# Altium PCB PCB1.pcbdoc (part 1 of 4) (continued)
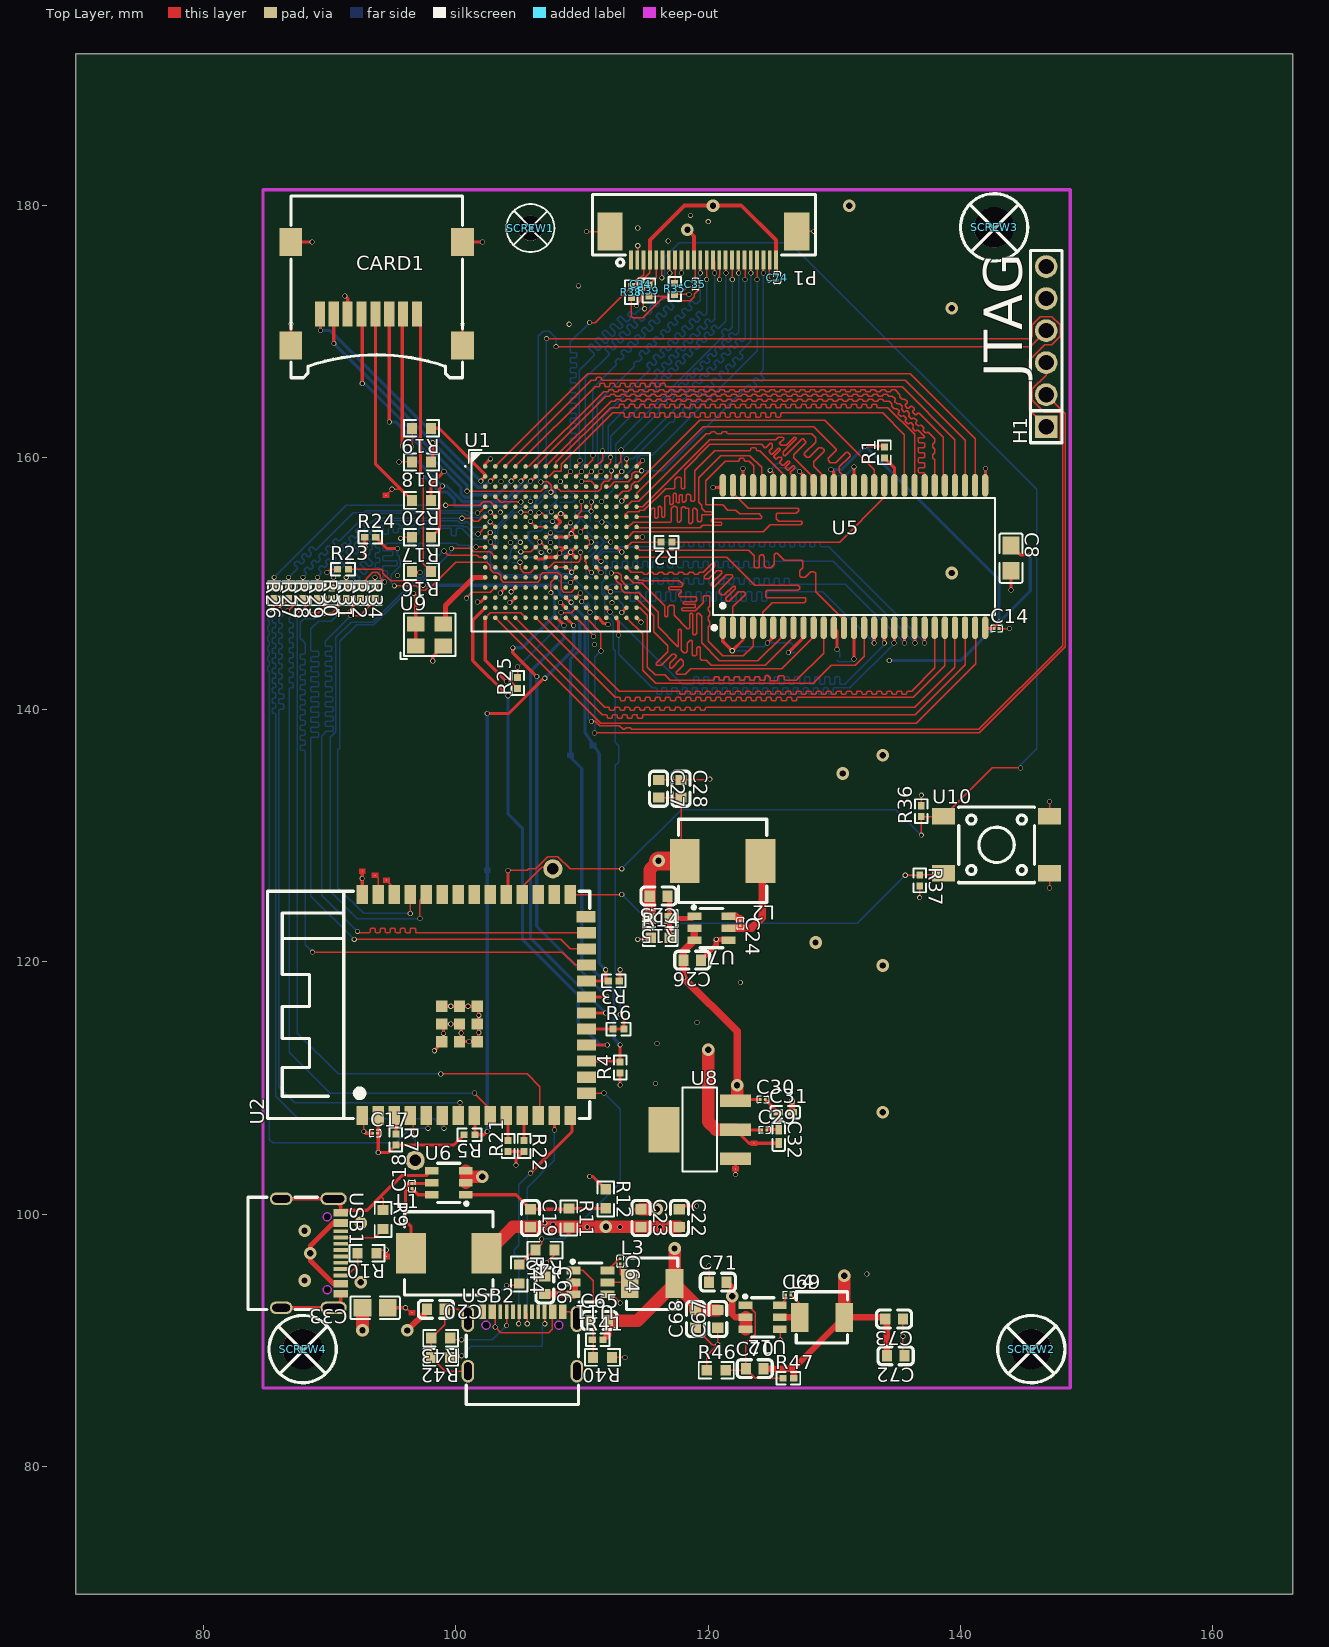
[diagram p0: Top Layer view]
## Components (designator, comment, footprint, x,y, rotation, side; value= is the part's Value field where it differs from the comment) (continued)
R4 "0402WGF1002TCE" R0402 113.03,111.633 r90 top
R5 "0402WGF1002TCE" R0402 101.092,106.299 r180 top
R6 "0402WGF330JTCE" R0402 112.903,114.681 r0 top
R7 "0402WGF1002TCE" R0402 95.25,105.918 r270 top
R9 "0603WAF5101T5E" R0603 94.234,99.568 r270 top
R10 "0603WAF5101T5E" R0603 92.964,96.901 r180 top
R11 "FRC0603F1963TS" R0603 108.966,99.695 r270 top
R12 "FRC0603F6202TS" R0603 111.887,101.219 r270 top
R14 "FRC0603F6202TS" R0603 116.205,121.92 r0 top
R15 "0603WAF2322T5E" R0603 116.205,123.444 r180 top
R16 "FRC0603F6202TS" R0603 97.278,150.952 r180 top
R17 "FRC0603F6202TS" R0603 97.282,153.67 r180 top
R18 "FRC0603F6202TS" R0603 97.282,159.639 r180 top
R19 "FRC0603F6202TS" R0603 97.282,162.306 r180 top
R20 "FRC0603F6202TS" R0603 97.282,156.591 r180 top
R21 "0402WGF1002TCE" R0402 104.14,105.41 r270 top
R22 "0402WGF1002TCE" R0402 105.41,105.41 r270 top
R23 "0402WGF1002TCE" R0402 91.059,151.13 r0 top
R24 "0402WGF1002TCE" R0402 93.218,153.67 r0 top
R25 "0402WGF1002TCE" R0402 104.902,142.113 r90 top
R26 "0402WGF330JTCE" R0402 85.598,149.225 r270 top
R27 "0402WGF330JTCE" R0402 86.741,149.225 r270 top
R28 "0402WGF330JTCE" R0402 87.884,149.225 r270 top
R29 "0402WGF330JTCE" R0402 89.027,149.225 r270 top
R30 "0402WGF330JTCE" R0402 90.17,149.225 r270 top
R31 "0402WGF330JTCE" R0402 91.313,149.225 r270 top
R32 "0402WGF330JTCE" R0402 92.456,149.225 r270 top
R34 "0402WGF330JTCE" R0402 93.599,149.225 r270 top
R35 "0402WGF1002TCE" R0402 117.348,173.355 r270 top
R36 "0402WGF1002TCE" R0402 136.906,131.953 r90 top
R37 "0402WGF1002TCE" R0402 136.779,126.469 r270 top
R38 "0402WGF1002TCE" R0402 113.919,173.101 r270 top
R39 "0402WGF1002TCE" R0402 115.316,173.228 r270 top
R40 "FRC0603F6202TS" R0603 111.633,88.646 r180 top
R41 "RC0402FR-07130KL" R0402 111.252,90.043 r0 top
R42 "0603WAF5101T5E" R0603 98.806,88.646 r180 top
R43 "0603WAF5101T5E" R0603 98.806,90.17 r180 top
R44 "FRC0603F1963TS" R0603 105.029,95.25 r270 top
R45 "FRC0603F1963TS" R0603 107.061,97.155 r180 top
R46 "FRC0603F6202TS" R0603 120.65,87.63 r0 top
R47 "0402WGF1543TCE" R0402 126.365,86.995 r0 top
SCREW1 "Screw-Hole-M2" Screw-Hole-M2 105.918,178.181 r0 top
SCREW2 "Screw-Hole-M3" Screw-Hole-M3 145.696,89.239 r0 top
SCREW3 "Screw-Hole-M3" Screw-Hole-M3 142.748,178.181 r0 top
SCREW4 "Screw-Hole-M3" Screw-Hole-M3 87.926,89.239 r0 top
U1 "LFE5U-25F-6BG256C" CABGA-256_L14.0-W14.0-R16-C16-P0.80-TL 108.331,153.289 r0 top
U2 "ESP32-S3-WROOM-1-N16R2" WIRELM-SMD_ESP32-S3-WROOM-1 101.473,116.586 r90 top
U5 "W9825G6KH-6" TSOP-54_L22.2-W10.2-P0.80-LS11.8-BL 131.572,152.146 r0 top
U6 "AP63200WU-7" SOT-23-6_L2.9-W1.6-P0.95-LS2.8-BR 99.441,102.489 r0 top
U7 "AP63200WU-7" SOT-23-6_L2.9-W1.6-P0.95-LS2.8-BR 120.269,122.682 r180 top
U8 "AMS1117-1.8_C6185" SOT-223-4_L6.5-W3.5-P2.30-LS7.0-BR 119.333,106.709 r0 top
U9 "XOS32024000LT00351005" OSC-SMD_4P-L3.2-W2.5-BL 97.917,145.923 r0 top
U10 "TPS645-5NC60" SW-SMD_4P-L6.0-W6.0-P4.50-LS9.2 142.875,129.286 r0 top
U11 "AP63200WU-7" SOT-23-6_L2.9-W1.6-P0.95-LS2.8-BR 110.67,94.587 r180 top
U12 "AP63200WU-7" SOT-23-6_L2.9-W1.6-P0.95-LS2.8-BR 124.333,91.821 r180 top
USB1 "TYPE-C16PIN" USB-C-SMD_TYPE-C16PIN#1 88.519,96.901 r270 top
USB2 "TYPE-C16PIN" USB-C-SMD_TYPE-C16PIN#2 105.283,89.916 r0 top

## Footprints (in the part's own frame and the unit in brackets; to place one, negate y for a bottom-side part, rotate by r counter-clockwise, add the part's x,y. Pads: shape width x height; smd on the part's side, far side on the other; paste and mask are expansions set on the pad)
C0402 [mm]
  rect 0.79x0.54 smd: 1(-0.545,0) 2(0.545,0)
  silkscreen extent -1.17,-0.5 1.17,0.5
C0603 [mm]
  rect 0.8x0.9 smd: 1(-0.7,0) 2(0.7,0)
  silkscreen extent -1.39,-0.71 1.39,0.71
C0805 [mm]
  rect 1.41x1.35 smd: 1(-1,0) 2(1,0)
  silkscreen extent -1.96,-0.9 1.96,0.9
C01005 [mm]
  rect 0.21x0.22 smd: 1(-0.195,0) 2(0.195,0)
  silkscreen extent -0.46,-0.27 0.46,0.27
CABGA-256_L14.0-W14.0-R16-C16-P0.80-TL [mm]
  round 0.36 smd: A1(-6,6) A2(-5.2,6) A3(-4.4,6) A4(-3.6,6) A5(-2.8,6) A6(-2,6) A7(-1.2,6) A8(-0.4,6) A9(0.4,6) A10(1.2,6) A11(2,6) A12(2.8,6) A13(3.6,6) A14(4.4,6) A15(5.2,6) A16(6,6) B1(-6,5.2) B2(-5.2,5.2) B3(-4.4,5.2) B4(-3.6,5.2) B5(-2.8,5.2) B6(-2,5.2) B7(-1.2,5.2) B8(-0.4,5.2) B9(0.4,5.2) B10(1.2,5.2) B11(2,5.2) B12(2.8,5.2) B13(3.6,5.2) B14(4.4,5.2) B15(5.2,5.2) B16(6,5.2) C1(-6,4.4) C2(-5.2,4.4) C3(-4.4,4.4) C4(-3.6,4.4) C5(-2.8,4.4) C6(-2,4.4) C7(-1.2,4.4) C8(-0.4,4.4) C9(0.4,4.4) C10(1.2,4.4) C11(2,4.4) C12(2.8,4.4) C13(3.6,4.4) C14(4.4,4.4) C15(5.2,4.4) C16(6,4.4) D1(-6,3.6) D2(-5.2,3.6) D3(-4.4,3.6) D4(-3.6,3.6) D5(-2.8,3.6) D6(-2,3.6) D7(-1.2,3.6) D8(-0.4,3.6) D9(0.4,3.6) D10(1.2,3.6) D11(2,3.6) D12(2.8,3.6) D13(3.6,3.6) D14(4.4,3.6) D15(5.2,3.6) D16(6,3.6) E1(-6,2.8) E2(-5.2,2.8) E3(-4.4,2.8) E4(-3.6,2.8) E5(-2.8,2.8) E6(-2,2.8) E7(-1.2,2.8) E8(-0.4,2.8) E9(0.4,2.8) E10(1.2,2.8) E11(2,2.8) E12(2.8,2.8) E13(3.6,2.8) E14(4.4,2.8) E15(5.2,2.8) E16(6,2.8) F1(-6,2) F2(-5.2,2) F3(-4.4,2) F4(-3.6,2) F5(-2.8,2) F6(-2,2) F7(-1.2,2) F8(-0.4,2) F9(0.4,2) F10(1.2,2) F11(2,2) F12(2.8,2) F13(3.6,2) F14(4.4,2) F15(5.2,2) F16(6,2) G1(-6,1.2) G2(-5.2,1.2) G3(-4.4,1.2) G4(-3.6,1.2) G5(-2.8,1.2) G6(-2,1.2) G7(-1.2,1.2) G8(-0.4,1.2) G9(0.4,1.2) G10(1.2,1.2) G11(2,1.2) G12(2.8,1.2) G13(3.6,1.2) G14(4.4,1.2) G15(5.2,1.2) G16(6,1.2) H1(-6,0.4) H2(-5.2,0.4) H3(-4.4,0.4) H4(-3.6,0.4) H5(-2.8,0.4) H6(-2,0.4) H7(-1.2,0.4) H8(-0.4,0.4) H9(0.4,0.4) H10(1.2,0.4) H11(2,0.4) H12(2.8,0.4) H13(3.6,0.4) H14(4.4,0.4) H15(5.2,0.4) H16(6,0.4) J1(-6,-0.4) J2(-5.2,-0.4) J3(-4.4,-0.4) J4(-3.6,-0.4) J5(-2.8,-0.4) J6(-2,-0.4) J7(-1.2,-0.4) J8(-0.4,-0.4) J9(0.4,-0.4) J10(1.2,-0.4) J11(2,-0.4) J12(2.8,-0.4) J13(3.6,-0.4) J14(4.4,-0.4) J15(5.2,-0.4) J16(6,-0.4) K1(-6,-1.2) K2(-5.2,-1.2) K3(-4.4,-1.2) K4(-3.6,-1.2) K5(-2.8,-1.2) K6(-2,-1.2) K7(-1.2,-1.2) K8(-0.4,-1.2) K9(0.4,-1.2) K10(1.2,-1.2) K11(2,-1.2) K12(2.8,-1.2) K13(3.6,-1.2) K14(4.4,-1.2) K15(5.2,-1.2) K16(6,-1.2) L1(-6,-2) L2(-5.2,-2) L3(-4.4,-2) L4(-3.6,-2) L5(-2.8,-2) L6(-2,-2) L7(-1.2,-2) L8(-0.4,-2) L9(0.4,-2) L10(1.2,-2) L11(2,-2) L12(2.8,-2) L13(3.6,-2) L14(4.4,-2) L15(5.2,-2) L16(6,-2) M1(-6,-2.8) M2(-5.2,-2.8) M3(-4.4,-2.8) M4(-3.6,-2.8) M5(-2.8,-2.8) M6(-2,-2.8) M7(-1.2,-2.8) M8(-0.4,-2.8) M9(0.4,-2.8) M10(1.2,-2.8) M11(2,-2.8) M12(2.8,-2.8) M13(3.6,-2.8) M14(4.4,-2.8) M15(5.2,-2.8) M16(6,-2.8) N1(-6,-3.6) N2(-5.2,-3.6) N3(-4.4,-3.6) N4(-3.6,-3.6) N5(-2.8,-3.6) N6(-2,-3.6) N7(-1.2,-3.6) N8(-0.4,-3.6) N9(0.4,-3.6) N10(1.2,-3.6) N11(2,-3.6) N12(2.8,-3.6) N13(3.6,-3.6) N14(4.4,-3.6) N15(5.2,-3.6) N16(6,-3.6) P1(-6,-4.4) P2(-5.2,-4.4) P3(-4.4,-4.4) P4(-3.6,-4.4) P5(-2.8,-4.4) P6(-2,-4.4) P7(-1.2,-4.4) P8(-0.4,-4.4) P9(0.4,-4.4) P10(1.2,-4.4) P11(2,-4.4) P12(2.8,-4.4) P13(3.6,-4.4) P14(4.4,-4.4) P15(5.2,-4.4) P16(6,-4.4) R1(-6,-5.2) R2(-5.2,-5.2) R3(-4.4,-5.2) R4(-3.6,-5.2) R5(-2.8,-5.2) R6(-2,-5.2) R7(-1.2,-5.2) R8(-0.4,-5.2) R9(0.4,-5.2) R10(1.2,-5.2) R11(2,-5.2) R12(2.8,-5.2) R13(3.6,-5.2) R14(4.4,-5.2) R15(5.2,-5.2) R16(6,-5.2) T1(-6,-6) T2(-5.2,-6) T3(-4.4,-6) T4(-3.6,-6) T5(-2.8,-6) T6(-2,-6) T7(-1.2,-6) T8(-0.4,-6) T9(0.4,-6) T10(1.2,-6) T11(2,-6) T12(2.8,-6) T13(3.6,-6) T14(4.4,-6) T15(5.2,-6) T16(6,-6)
  silkscreen extent -7.63,-7.08 7.08,7.3
FPC-SMD_AFC07-S24FCC-00 [mm]
  rect 0.3x1.5 smd: 1(5.745,1.129) 2(5.245,1.129) 3(4.746,1.129) 4(4.245,1.129) 5(3.746,1.129) 6(3.245,1.129) 7(2.746,1.129) 8(2.245,1.129) 9(1.746,1.129) 10(1.245,1.129) 11(0.746,1.129) 12(0.245,1.129) 13(-0.254,1.129) 14(-0.755,1.129) 15(-1.251,1.13) 16(-1.754,1.13) 17(-2.254,1.128) 18(-2.754,1.129) 19(-3.254,1.129) 20(-3.756,1.132) 21(-4.256,1.132) 22(-4.756,1.132) 23(-5.256,1.132) 24(-5.756,1.132)
  rect 2x3 smd: 25(-7.401,-1.132) 26(7.401,-1.125)
  silkscreen extent -8.89,-4.07 8.8,1.61
HDR-TH_6P-P2.54-V-M-1 [mm]
  rect 1.8x1.8 hole 1.2: 1(-6.35,0)
  round 1.8 hole 1.2: 2(-3.81,0) 3(-1.27,0) 4(1.27,0) 5(3.81,0) 6(6.35,0)
  silkscreen extent -7.62,-1.25 7.62,1.25
IND-SMD_L4.5-W4.1_SL0420 [mm]
  rect 1.4x2.3 smd: 1(-1.775,0) 2(1.775,0)
  silkscreen extent -2.03,-2.03 2.03,2.03
IND-SMD_L7.0-W6.6 [mm]
  rect 2.4x3.2 smd: 1(-3,0) 2(3,0)
  silkscreen extent -3.5,-3.3 3.5,3.3
IND-SMD_L7.3-W6.8 [mm]
  rect 2.35x3.5 smd: 1(-3,0) 2(3,0)
  silkscreen extent -3.5,-3.3 3.5,3.3
OSC-SMD_4P-L3.2-W2.5-BL [mm]
  rect 1.4x1.2 smd: 1(-1.1,-0.875) 2(1.1,-0.875) 3(1.1,0.875) 4(-1.1,0.875)
  silkscreen extent -2.29,-1.9 2.07,1.72
R0402 [mm]
  rect 0.566x0.54 smd: 1(-0.433,0) 2(0.433,0)
  silkscreen extent -0.94,-0.5 0.94,0.5
R0603 [mm]
  rect 0.806x0.864 smd: 1(-0.753,0) 2(0.753,0)
  silkscreen extent -1.39,-0.66 1.39,0.66
Screw-Hole-M2 [mm]
  round 2 hole 2: 1(0,0)
  silkscreen extent -1.9,-1.9 1.9,1.9
Screw-Hole-M3 [mil]
  round 126 hole 126: 1(-2.5,2.5)
  silkscreen extent -107,-102 102,107
SOT-23-6_L2.9-W1.6-P0.95-LS2.8-BR [mm]
  rect 1.1x0.6 smd: 1(1.35,-0.95) 2(1.35,0) 3(1.35,0.95) 4(-1.35,0.95) 5(-1.35,0) 6(-1.35,-0.95)
  silkscreen extent -0.9,-1.78 1.52,1.55
SOT-223-4_L6.5-W3.5-P2.30-LS7.0-BR [mm]
  rect 2.47x0.98 smd: 1(2.835,-2.3) 2(2.835,0) 3(2.835,2.3)
  rect 2.47x3.6 smd: 4(-2.835,0)
  silkscreen extent -1.37,-3.33 1.37,3.33
SW-SMD_4P-L6.0-W6.0-P4.50-LS9.2 [mm]
  rect 1.8x1.3 smd: 1(-4.2,2.25) 2(4.2,2.25) 3(-4.2,-2.25) 4(4.2,-2.25)
  silkscreen extent -3,-3 3,3
TF-SMD_DS1139-06-08SS4BSR [mm]
  rect 0.8x2 smd: 1(3.2,-1.6) 2(2.1,-1.6) 3(1,-1.6) 4(-0.1,-1.6) 5(-1.2,-1.6) 6(-2.3,-1.6) 7(-3.4,-1.6) 8(-4.5,-1.6)
  rect 1.8x2.2 smd: 9(-6.8,4.1) 10(-6.8,-4.1) 11(6.8,-4.1) 12(6.8,4.1)
  silkscreen extent -6.8,-6.65 6.8,7.75
TSOP-54_L22.2-W10.2-P0.80-LS11.8-BL [mm]
  oval 0.5x1.8 smd: 1(-10.4,-5.642) 2(-9.6,-5.642) 3(-8.8,-5.642) 4(-8,-5.642) 5(-7.2,-5.642) 6(-6.4,-5.642) 7(-5.6,-5.642) 8(-4.8,-5.642) 9(-4,-5.642) 10(-3.2,-5.642) 11(-2.4,-5.642) 12(-1.6,-5.642) 13(-0.8,-5.642) 14(0,-5.642) 15(0.8,-5.642) 16(1.6,-5.642) 17(2.4,-5.642) 18(3.2,-5.642) 19(4,-5.642) 20(4.8,-5.642) 21(5.6,-5.642) 22(6.4,-5.642) 23(7.2,-5.642) 24(8,-5.642) 25(8.8,-5.642) 26(9.6,-5.642) 27(10.4,-5.642) 28(10.4,5.642) 29(9.6,5.642) 30(8.8,5.642) 31(8,5.642) 32(7.2,5.642) 33(6.4,5.642) 34(5.6,5.642) 35(4.8,5.642) 36(4,5.642) 37(3.2,5.642) 38(2.4,5.642) 39(1.6,5.642) 40(0.8,5.642) 41(0,5.642) 42(-0.8,5.642) 43(-1.6,5.642) 44(-2.4,5.642) 45(-3.2,5.642) 46(-4,5.642) 47(-4.8,5.642) 48(-5.6,5.642) 49(-6.4,5.642) 50(-7.2,5.642) 51(-8,5.642) 52(-8.8,5.642) 53(-9.6,5.642) 54(-10.4,5.642)
  silkscreen extent -11.23,-5.79 11.19,4.65
USB-C-SMD_TYPE-C16PIN#1 [mm]
  oval 1x2.1 hole 0.6 slot 1.7 at 90 deg: 1(-4.32,1.787) 2(4.32,1.787)
  oval 1x1.8 hole 0.6 slot 1.4 at 90 deg: 3(-4.32,-2.362) 4(4.32,-2.362)
  rect 0.6x1.15 smd: A1B12(-3.2,2.362) A4B9(-2.4,2.362) B1A12(3.2,2.362) B4A9(2.4,2.362)
  rect 0.3x1.15 smd: A5(-1.25,2.362) A6(-0.25,2.362) A7(0.25,2.362) A8(1.25,2.362) B5(1.75,2.362) B6(0.75,2.362) B7(-0.75,2.362) B8(-1.75,2.362)
  Board Outline Layer circle w0.005: c2.89,1.288 r0.325
  Board Outline Layer circle w0.005: c-2.89,1.288 r0.325
  Board Outline Layer region: 2.89,1.613 3.031,1.581 3.144,1.491 3.207,1.36 3.207,1.216 3.144,1.085 3.031,0.995 2.89,0.963 2.89,0.963 2.749,0.995 2.636,1.085 2.573,1.216 2.573,1.36 2.636,1.491 2.749,1.581 2.89,1.613
  Board Outline Layer region: -2.89,1.613 -2.749,1.581 -2.636,1.491 -2.573,1.36 -2.573,1.216 -2.636,1.085 -2.749,0.995 -2.89,0.963 -2.89,0.963 -3.031,0.995 -3.144,1.085 -3.207,1.216 -3.207,1.36 -3.144,1.491 -3.031,1.581 -2.89,1.613
  Multi-Layer board cut-out: 2.89,1.613 3.031,1.581 3.144,1.491 3.207,1.36 3.207,1.216 3.144,1.085 3.031,0.995 2.89,0.963 2.89,0.963 2.749,0.995 2.636,1.085 2.573,1.216 2.573,1.36 2.636,1.491 2.749,1.581 2.89,1.613
  Multi-Layer board cut-out: -2.89,1.613 -2.749,1.581 -2.636,1.491 -2.573,1.36 -2.573,1.216 -2.636,1.085 -2.749,0.995 -2.89,0.963 -2.89,0.963 -3.031,0.995 -3.144,1.085 -3.207,1.216 -3.207,1.36 -3.144,1.491 -3.031,1.581 -2.89,1.613
  silkscreen extent -4.45,-5 4.45,0.52
USB-C-SMD_TYPE-C16PIN#2 [mm]
  oval 1x2.1 hole 0.6 slot 1.7 at 90 deg: 1(-4.32,1.787) 2(4.32,1.787)
  oval 1x1.8 hole 0.6 slot 1.4 at 90 deg: 3(-4.32,-2.362) 4(4.32,-2.362)
  rect 0.6x1.15 smd: A1B12(-3.2,2.362) A4B9(-2.4,2.362) B1A12(3.2,2.362) B4A9(2.4,2.362)
  rect 0.3x1.15 smd: A5(-1.25,2.362) A6(-0.25,2.362) A7(0.25,2.362) A8(1.25,2.362) B5(1.75,2.362) B6(0.75,2.362) B7(-0.75,2.362) B8(-1.75,2.362)
  Board Outline Layer circle w0.005: c2.89,1.288 r0.325
  Board Outline Layer circle w0.005: c-2.89,1.288 r0.325
  Board Outline Layer region: 3.215,1.288 3.183,1.147 3.093,1.034 2.962,0.971 2.818,0.971 2.687,1.034 2.597,1.147 2.565,1.288 2.565,1.288 2.597,1.429 2.687,1.542 2.818,1.605 2.962,1.605 3.093,1.542 3.183,1.429 3.215,1.288
  Board Outline Layer region: -2.565,1.288 -2.597,1.147 -2.687,1.034 -2.818,0.971 -2.962,0.971 -3.093,1.034 -3.183,1.147 -3.215,1.288 -3.215,1.288 -3.183,1.429 -3.093,1.542 -2.962,1.605 -2.818,1.605 -2.687,1.542 -2.597,1.429 -2.565,1.288
  Multi-Layer board cut-out: 3.215,1.288 3.183,1.147 3.093,1.034 2.962,0.971 2.818,0.971 2.687,1.034 2.597,1.147 2.565,1.288 2.565,1.288 2.597,1.429 2.687,1.542 2.818,1.605 2.962,1.605 3.093,1.542 3.183,1.429 3.215,1.288
  Multi-Layer board cut-out: -2.565,1.288 -2.597,1.147 -2.687,1.034 -2.818,0.971 -2.962,0.971 -3.093,1.034 -3.183,1.147 -3.215,1.288 -3.215,1.288 -3.183,1.429 -3.093,1.542 -2.962,1.605 -2.818,1.605 -2.687,1.542 -2.597,1.429 -2.565,1.288
  silkscreen extent -4.45,-5 4.45,0.52
WIRELM-SMD_ESP32-S3-WROOM-1 [mm]
  rect 1.5x0.9 smd: 1(-8.75,8.895) 2(-8.75,7.625) 3(-8.75,6.355) 4(-8.75,5.085) 5(-8.75,3.815) 6(-8.75,2.545) 7(-8.75,1.275) 8(-8.75,0.005) 9(-8.75,-1.265) 10(-8.75,-2.535) 11(-8.75,-3.805) 12(-8.75,-5.075) 13(-8.75,-6.345) 14(-8.75,-7.615) 27(8.75,-7.615) 28(8.75,-6.345) 29(8.75,-5.075) 30(8.75,-3.805) 31(8.75,-2.535) 32(8.75,-1.265) 33(8.75,0.005) 34(8.75,1.275) 35(8.75,2.545) 36(8.75,3.815) 37(8.75,5.085) 38(8.75,6.355) 39(8.75,7.625) 40(8.75,8.895)
  rect 0.9x1.5 smd: 15(-6.985,-8.895) 16(-5.715,-8.895) 17(-4.445,-8.895) 18(-3.175,-8.895) 19(-1.905,-8.895) 20(-0.635,-8.895) 21(0.635,-8.895) 22(1.905,-8.895) 23(3.175,-8.895) 24(4.445,-8.895) 25(5.715,-8.895) 26(6.985,-8.865)
  rect 0.9x0.9 smd: 41(-2.9,-0.225) 41(-2.9,1.175) 41(-2.9,2.575) 41(-1.5,2.575) 41(-1.5,-0.225) 41(-1.5,1.175) 41(-0.1,2.575) 41(-0.1,1.175) 41(-0.1,-0.225)
  silkscreen extent -9,-9.14 9.02,16.39

## Free pads (board coordinates)
  round 1.524 hole 0.914: 1(96.774,104.267) 1(107.696,127.381)
  round 0.08 smd: 55(92.578,127.195) 55(93.599,126.873) 55(94.457,156.993) 55(94.488,96.647) 55(94.488,126.492) 55(96.52,92.202) 55(122.168,103.597) 55(123.648,105.627)
  round 0.08 smd far side: 55(102.489,127.254) 55(109.093,136.377) 55(110.363,148.209) 55(110.871,137.16)

## Via types
v1: diameter 0.4, hole 0.3, Top Layer to Bottom Layer, 291 vias
v2: diameter 1, hole 0.5, Top Layer to Bottom Layer, 26 vias
v3: diameter 0.5, hole 0.3, Top Layer to Bottom Layer, 1 vias

## Nets (pads, with @x,y where several pads share a name; then routed paths per layer and width w, separated by ;. In a path a pad name is that pad's centre, name@x,y a point inside that pad or via, vN(x,y) a via of type N, cw(c..) or ccw(c..) an arc to the next point about the centre after c; other vN are vias at no path point)
$1N9437: R1.1 U5.37 | length 2.5
  Top Layer w0.254: R1.1@133.985,159.968 134.772,159.181 U5.37@134.772,157.788
$1N11348: R2.1 U5.38 | length 19.3
  Top Layer w0.1: R2.1@117.146,153.289 130.429,153.289 133.985,156.845 133.985,157.775 U5.38@133.972,157.788
$1N11975: R7.1 U2.3 | length 1.5
  Top Layer w0.254: U2.3@95.245,107.836 95.25,107.831 R7.1@95.25,106.351
$1N12553: R10.2 USB1.B5 | length 2.6
  Top Layer w0.1: USB1.B5@90.881,95.151 91.392,95.151 92.211,95.97 R10.2@92.211,96.901
$1N12557: R9.2 USB1.A5 | length 3.6
  Top Layer w0.1: USB1.A5@90.881,98.151 93.57,98.151 R9.2@94.234,98.815
$1N14416: C18.2 L1.1 U6.5 | length 7.6
  Top Layer w0.254: L1.1@96.441,96.901 96.441,99.06 96.012,99.489 96.012,102.141 96.294,102.424 96.514,102.424 C18.2@96.52,102.43 98.032,102.43 U6.5@98.091,102.489
$1N14459: C18.1 U6.6 | length 1.8
  Top Layer w0.254: C18.1@96.52,102.04 97.021,101.539 U6.6@98.091,101.539
$1N14567: C19.1 R11.1 R12.2 U6.1 | length 11.6
  Top Layer w0.254: U6.1@100.791,101.539 104.774,101.539 C19.1@105.918,100.395 108.913,100.395 R11.1@108.966,100.448 111.87,100.448 R12.2@111.887,100.466
$1N16832: C24.2 L2.1 U7.5 | length 7.6
  Top Layer w0.6: U7.5@121.619,122.682 123.444,122.682 124.285,123.523 124.285,127.889 L2.1@124.158,128.016
$1N16833: C24.1 U7.6 | length 1
  Top Layer w0.6: U7.6@121.619,123.632 122.181,123.632 122.388,123.425 122.555,123.425
$1N16834: C25.1 R14.2 R15.1 U7.1 | length 5.4
  Top Layer w0.4: C25.1@116.778,125.222 116.958,125.042 R15.1@116.958,123.444 ; R14.2@116.958,121.92 R15.1@116.958,123.444 ; U7.1@118.919,123.632 118.731,123.444 R15.1@116.958,123.444
$1N17349: C29.2 C30.2 C31.1 C32.1 | length 3.8
  Top Layer w0.254: C30.2@124.528,109.093 125.603,108.018 C32.1@125.603,106.717 124.692,106.717 C29.2@124.655,106.68
$1N29790: R26.2 U2.5 | length 57.9
  Top Layer w0.1: v1(85.336,147.955) 85.598,148.217 R26.2@85.598,148.792 ; U2.5@97.785,107.836 97.79,107.831 v1(97.79,106.807)
  Bottom Layer w0.1: v1(85.336,147.955) 85.217,147.836 85.217,147.523 85.088,147.395 85.088,147.123 85.217,146.995 85.217,146.723 85.088,146.595 85.088,146.323 85.217,146.195 85.217,145.923 85.088,145.795 85.088,145.523 85.217,145.395 85.217,145.123 85.088,144.995 85.088,144.723 85.217,144.595 85.217,144.323 85.088,144.195 85.088,143.923 85.217,143.795 85.217,143.523 85.088,143.395 85.088,143.123 85.217,142.995 85.217,105.918 85.471,105.664 95.249,105.664 96.392,106.807 v1(97.79,106.807)
$1N29833: R27.2 U2.6 | length 59.2
  Top Layer w0.1: v1(86.015,147.919) 86.015,148.066 R27.2@86.741,148.792 ; v1(99.055,106.807) U2.6@99.055,107.836
  Bottom Layer w0.1: v1(86.015,147.919) 85.725,147.629 85.725,147.358 85.654,147.287 85.517,147.287 85.446,147.217 85.446,146.958 85.517,146.887 85.654,146.887 85.725,146.817 85.725,146.558 85.654,146.487 85.517,146.487 85.446,146.417 85.446,146.158 85.517,146.087 85.654,146.087 85.725,146.017 85.725,145.758 85.654,145.687 85.517,145.687 85.446,145.617 85.446,145.358 85.517,145.287 85.654,145.287 85.725,145.217 85.725,144.958 85.654,144.887 85.517,144.887 85.446,144.817 85.446,144.558 85.517,144.487 85.654,144.487 85.725,144.417 85.725,144.158 85.654,144.087 85.517,144.087 85.446,144.017 85.446,143.758 85.517,143.687 85.654,143.687 85.725,143.617 85.725,143.358 85.654,143.287 85.517,143.287 85.446,143.217 85.446,142.958 85.517,142.887 85.654,142.887 85.725,142.817 85.725,142.558 85.654,142.487 85.517,142.487 85.446,142.417 85.446,142.158 85.517,142.087 85.654,142.087 85.725,142.017 85.725,141.794 85.654,141.723 85.517,141.723 85.446,141.653 85.446,141.394 85.517,141.323 85.654,141.323 85.725,141.253 85.725,140.994 85.654,140.923 85.517,140.923 85.446,140.853 85.446,140.594 85.517,140.523 85.654,140.523 85.725,140.453 85.725,140.194 85.654,140.123 85.517,140.123 85.446,140.053 85.446,139.794 85.517,139.723 85.654,139.723 85.725,139.653 85.725,109.347 87.503,107.569 98.293,107.569 v1(99.055,106.807)
$1N29916: R29.2 U2.9 | length 59.1
  Top Layer w0.1: v1(87.326,147.751) 87.681,147.751 88.723,148.792 R29.2@89.027,148.792 ; v1(101.473,109.601) 102.865,108.209 U2.9@102.865,107.836
  Bottom Layer w0.1: v1(87.326,147.751) 87.124,147.549 87.068,147.549 86.795,147.276 86.795,146.979 86.866,146.909 87.051,146.909 87.122,146.838 87.122,146.579 87.051,146.509 86.866,146.509 86.795,146.438 86.795,146.179 86.866,146.109 87.051,146.109 87.122,146.038 87.122,145.779 87.051,145.709 86.866,145.709 86.795,145.638 86.795,145.379 86.866,145.309 87.051,145.309 87.122,145.238 87.122,144.979 87.051,144.909 86.866,144.909 86.795,144.838 86.795,144.579 86.866,144.509 87.051,144.509 87.122,144.438 87.122,144.179 87.051,144.109 86.866,144.109 86.795,144.038 86.795,143.779 86.866,143.709 87.051,143.709 87.122,143.638 87.122,143.379 87.051,143.309 86.866,143.309 86.795,143.238 86.795,143.024 86.866,142.954 87.051,142.954 87.122,142.883 87.122,142.624 87.051,142.554 86.866,142.554 86.795,142.483 86.795,142.224 86.866,142.154 87.051,142.154 87.122,142.083 87.122,141.824 87.051,141.754 86.866,141.754 86.795,141.683 86.795,112.849 90.043,109.601 v1(101.473,109.601)
$1N29959: R30.2 U2.12 | length 59.5
  Top Layer w0.1: v1(88.265,147.701) 89.079,147.701 R30.2@90.17,148.792 ; v1(98.806,111.125) 105.664,111.125 106.675,110.114 U2.12@106.675,107.836
  Bottom Layer w0.1: v1(88.265,147.701) 87.845,147.701 87.493,147.349 87.493,147.339 87.449,147.295 87.449,114.354 90.678,111.125 v1(98.806,111.125)
$1N30002: R31.2 U2.23 | length 58.9
  Top Layer w0.1: v1(88.646,120.777) 108.458,120.777 109.474,119.761 U2.23@110.368,119.761 ; v1@89.535,147.701 90.222,147.701 R31.2@91.313,148.792
  Bottom Layer w0.1: v1(88.646,120.777) 88.05,121.373 88.05,136.711 87.979,136.782 87.749,136.782 87.678,136.852 87.678,137.111 87.749,137.182 87.979,137.182 88.05,137.252 88.05,137.511 87.979,137.582 87.749,137.582 87.678,137.652 87.678,137.911 87.749,137.982 87.979,137.982 88.05,138.052 88.05,138.311 87.979,138.382 87.749,138.382 87.678,138.452 87.678,138.711 87.749,138.782 87.979,138.782 88.05,138.852 88.05,139.111 87.979,139.182 87.749,139.182 87.678,139.252 87.678,139.511 87.749,139.582 87.979,139.582 88.05,139.652 88.05,139.911 87.979,139.982 87.749,139.982 87.678,140.052 87.678,140.311 87.749,140.382 87.979,140.382 88.05,140.452 88.05,140.711 87.979,140.782 87.749,140.782 87.678,140.852 87.678,141.111 87.749,141.182 87.979,141.182 88.05,141.252 88.05,141.511 87.979,141.582 87.749,141.582 87.678,141.652 87.678,141.911 87.749,141.982 87.979,141.982 88.05,142.052 88.05,142.311 87.979,142.382 87.749,142.382 87.678,142.452 87.678,142.711 87.749,142.782 87.979,142.782 88.05,142.852 88.05,143.111 87.979,143.182 87.749,143.182 87.678,143.252 87.678,143.511 87.749,143.582 87.979,143.582 88.05,143.652 88.05,143.911 87.979,143.982 87.749,143.982 87.678,144.052 87.678,144.311 87.749,144.382 87.979,144.382 88.05,144.452 88.05,145.249 87.649,145.65 87.649,146.933 87.928,147.212 88.777,147.212 89.21,147.645 v1(89.591,147.645)
$1N30085: R34.2 U2.25 | length 59.4
  Top Layer w0.1: v1@91.694,147.447 92.381,147.447 93.599,148.665 R34.2@93.599,148.792 ; v1(92.202,122.428) 92.329,122.301 93.137,122.301 93.208,122.372 93.208,122.611 93.279,122.682 93.537,122.682 93.608,122.611 93.608,122.372 93.679,122.301 93.937,122.301 94.008,122.372 94.008,122.611 94.079,122.682 94.337,122.682 94.408,122.611 94.408,122.372 94.479,122.301 94.737,122.301 94.808,122.372 94.808,122.611 94.879,122.682 95.137,122.682 95.208,122.611 95.208,122.372 95.279,122.301 95.537,122.301 95.608,122.372 95.608,122.611 95.679,122.682 95.937,122.682 96.008,122.611 96.008,122.372 96.079,122.301 96.337,122.301 96.408,122.372 96.408,122.611 96.479,122.682 96.737,122.682 96.808,122.611 96.808,122.372 96.879,122.301 U2.25@110.368,122.301
  Bottom Layer w0.1: v1(91.687,147.454) 89.662,145.43 89.662,145.109 89.733,145.038 90.099,145.038 90.17,144.968 90.17,144.709 90.099,144.638 89.733,144.638 89.662,144.568 89.662,144.309 89.733,144.238 90.089,144.238 90.16,144.168 90.16,143.909 90.089,143.838 89.733,143.838 89.662,143.768 89.662,143.509 89.733,143.438 90.098,143.438 90.169,143.368 90.169,143.109 90.098,143.038 89.733,143.038 89.662,142.968 89.662,142.709 89.733,142.638 90.089,142.638 90.16,142.568 90.16,142.309 90.089,142.238 89.733,142.238 89.662,142.168 89.662,141.909 89.733,141.838 90.134,141.838 90.204,141.768 90.204,141.509 90.134,141.438 89.733,141.438 89.662,141.368 89.662,141.109 89.733,141.038 90.161,141.038 90.231,140.968 90.231,140.709 90.161,140.638 89.733,140.638 89.662,140.568 89.662,140.309 89.733,140.238 90.206,140.238 90.276,140.168 90.276,139.909 90.206,139.838 89.733,139.838 89.662,139.768 89.662,139.554 89.733,139.483 90.212,139.483 90.283,139.412 90.283,139.154 90.212,139.083 89.733,139.083 89.662,139.012 89.662,138.754 89.733,138.683 90.212,138.683 90.283,138.612 90.283,138.354 90.212,138.283 89.733,138.283 89.354,137.904 89.354,125.276 v1(92.202,122.428)
$1N30089: R32.2 U2.24 | length 59.6
  Top Layer w0.1: v1(90.678,147.574) 91.238,147.574 R32.2@92.456,148.792 ; v1(91.948,121.793) 108.331,121.793 109.093,121.031 U2.24@110.368,121.031
  Bottom Layer w0.1: v1(90.678,147.574) 90.116,147.012 89.115,147.012 88.519,146.416 88.519,144.684 88.59,144.614 89.083,144.614 89.154,144.543 89.154,144.284 89.083,144.214 88.59,144.214 88.519,144.143 88.519,143.884 88.59,143.814 89.083,143.814 89.154,143.743 89.154,143.484 89.083,143.414 88.59,143.414 88.519,143.343 88.519,143.084 88.59,143.014 89.083,143.014 89.154,142.943 89.154,142.684 89.083,142.614 88.59,142.614 88.519,142.543 88.519,142.284 88.59,142.214 89.083,142.214 89.154,142.143 89.154,141.884 89.083,141.814 88.59,141.814 88.519,141.743 88.519,141.484 88.59,141.414 89.083,141.414 89.154,141.343 89.154,141.084 89.083,141.014 88.59,141.014 88.519,140.943 88.519,140.684 88.59,140.614 89.083,140.614 89.154,140.543 89.154,140.284 89.083,140.214 88.59,140.214 88.519,140.143 88.519,139.884 88.59,139.814 89.083,139.814 89.154,139.743 89.154,139.484 89.083,139.414 88.59,139.414 88.519,139.343 88.519,139.084 88.59,139.014 89.083,139.014 89.154,138.943 89.154,138.684 89.083,138.614 88.59,138.614 88.519,138.543 88.519,138.284 88.59,138.214 89.083,138.214 89.154,138.143 89.154,137.884 89.083,137.814 88.59,137.814 88.519,137.743 88.519,125.222 v1(91.948,121.793)
$1N30093: R28.2 U2.7 | length 59.1
  Top Layer w0.1: v1(86.647,147.828) 86.708,147.828 87.673,148.792 R28.2@87.884,148.792 ; U2.7@100.325,107.836 v1(100.325,108.839)
  Bottom Layer w0.1: v1(86.647,147.828) 85.979,147.16 85.979,146.916 86.05,146.845 86.162,146.845 86.233,146.774 86.233,146.516 86.162,146.445 86.05,146.445 85.979,146.374 85.979,146.116 86.05,146.045 86.162,146.045 86.233,145.974 86.233,145.716 86.162,145.645 86.05,145.645 85.979,145.574 85.979,145.316 86.05,145.245 86.162,145.245 86.233,145.174 86.233,144.916 86.162,144.845 86.05,144.845 85.979,144.774 85.979,144.516 86.05,144.445 86.162,144.445 86.233,144.374 86.233,144.116 86.162,144.045 86.05,144.045 85.979,143.974 85.979,143.716 86.05,143.645 86.162,143.645 86.233,143.574 86.233,143.316 86.162,143.245 86.05,143.245 85.979,143.174 85.979,142.916 86.05,142.845 86.162,142.845 86.233,142.774 86.233,142.516 86.162,142.445 86.05,142.445 85.979,142.374 85.979,142.116 86.05,142.045 86.162,142.045 86.233,141.974 86.233,141.716 86.162,141.645 86.05,141.645 85.979,141.574 85.979,141.324 86.05,141.253 86.289,141.253 86.36,141.182 86.36,140.924 86.289,140.853 86.05,140.853 85.979,140.782 85.979,140.524 86.05,140.453 86.289,140.453 86.36,140.382 86.36,140.124 86.289,140.053 86.05,140.053 85.979,139.982 85.979,110.109 87.249,108.839 v1(100.325,108.839)
$1N33205: P1.8 R35.1 | length 1.9
  Top Layer w0.1: R35.1@117.348,173.788 117.389,173.828 P1.8@117.389,175.655
$1N60668: C64.1 U11.6 | length 1.4
  Top Layer w0.1: U11.6@112.02,95.537 112.718,96.235 112.718,96.26 112.836,96.378 112.861,96.378 112.944,96.461 C64.1@113.03,96.461
$1N60669: C64.2 L3.1 U11.5 | length 3.6
  Top Layer w0.1: U11.5@112.02,94.587 L3.1@113.696,94.587 ; C64.2@113.03,96.071 113.03,95.253 L3.1@113.696,94.587 ; L3.1@113.795,94.488 L3.1@113.696,94.587
$1N60670: C65.1 R40.2 R41.1 U11.1 | length 8
  Top Layer w0.1: U11.1@109.32,95.537 110.076,95.537 110.88,94.733 R40.2@110.88,88.646
$1N63749: R43.1 USB2.A5 | length 6.1
  Top Layer w0.1: R43.1@99.559,90.17 99.686,90.043 v1(100.457,90.043) ; v1(104.033,91.186) USB2.A5@104.033,92.278
  Bottom Layer w0.1: v1(100.457,90.043) 102.89,90.043 v1(104.033,91.186)
$1N63772: R42.1 USB2.B5 | length 10.5
  Top Layer w0.1: R42.1@99.559,88.646 100.33,88.646 v1(100.457,88.773) ; USB2.B5@107.033,92.278 107.061,92.251 v1(107.061,91.313)
  Bottom Layer w0.1: v1(100.457,88.773) 101.219,89.535 106.807,89.535 106.835,89.563 106.835,91.087 v1(107.061,91.313)
$1N63825: R44.2 USB2.A4B9 USB2.B4A9 | length 12.3
  Top Layer w0.1: USB2.A4B9@102.883,92.278 103.124,92.037 v1(103.124,91.059) 103.563,90.62 107.384,90.62 107.646,90.882 107.646,92.241 USB2.B4A9@107.683,92.278 ; v1(104.013,94.361) 104.893,94.361 R44.2@105.029,94.497
  Bottom Layer w0.1: v1(103.124,91.059) 103.124,93.472 v1(104.013,94.361)
$1N64401: C69.2 L4.1 U12.5 | length 3.6
  Top Layer w0.1: C69.2@126.56,93.599 127.257,92.902 L4.1@127.257,91.821
  Top Layer w0.5: U12.5@125.683,91.821 L4.1@127.257,91.821
$1N64402: C69.1 U12.6 | length 1
  Top Layer w0.1: U12.6@125.683,92.771 126.17,93.258 C69.1@126.17,93.599
$1N64403: C70.1 R46.2 R47.1 U12.1 | length 10.6
  Top Layer w0.1: R46.2@121.403,87.63 122.871,87.63 C70.1@122.998,87.757 ; U12.1@122.983,92.771 123.044,92.71 123.23,92.71 123.735,92.205 123.735,90.487 122.998,89.75 C70.1@122.998,87.757 ; R47.1@125.932,86.995 123.76,86.995 C70.1@122.998,87.757
$2N5507: R23.2 U1.P10 | length 20.1
  Top Layer w0.1: R23.2@91.492,151.13 94.107,151.13 94.213,151.024 94.213,150.836 94.829,150.22 97.049,150.22 v1(97.409,149.86)
  Top Layer w0.254: U1.P10@109.531,148.889 109.855,149.213 v1@109.855,149.225
  Bottom Layer w0.254: v1(97.409,149.86) 107.761,149.86 108.24,149.381 108.24,149.159 108.381,149.018 109.327,149.018 109.427,148.918 109.548,148.918 v1(109.876,149.246)